# KiCad board USB Cable Tester.kicad_pcb (continued)
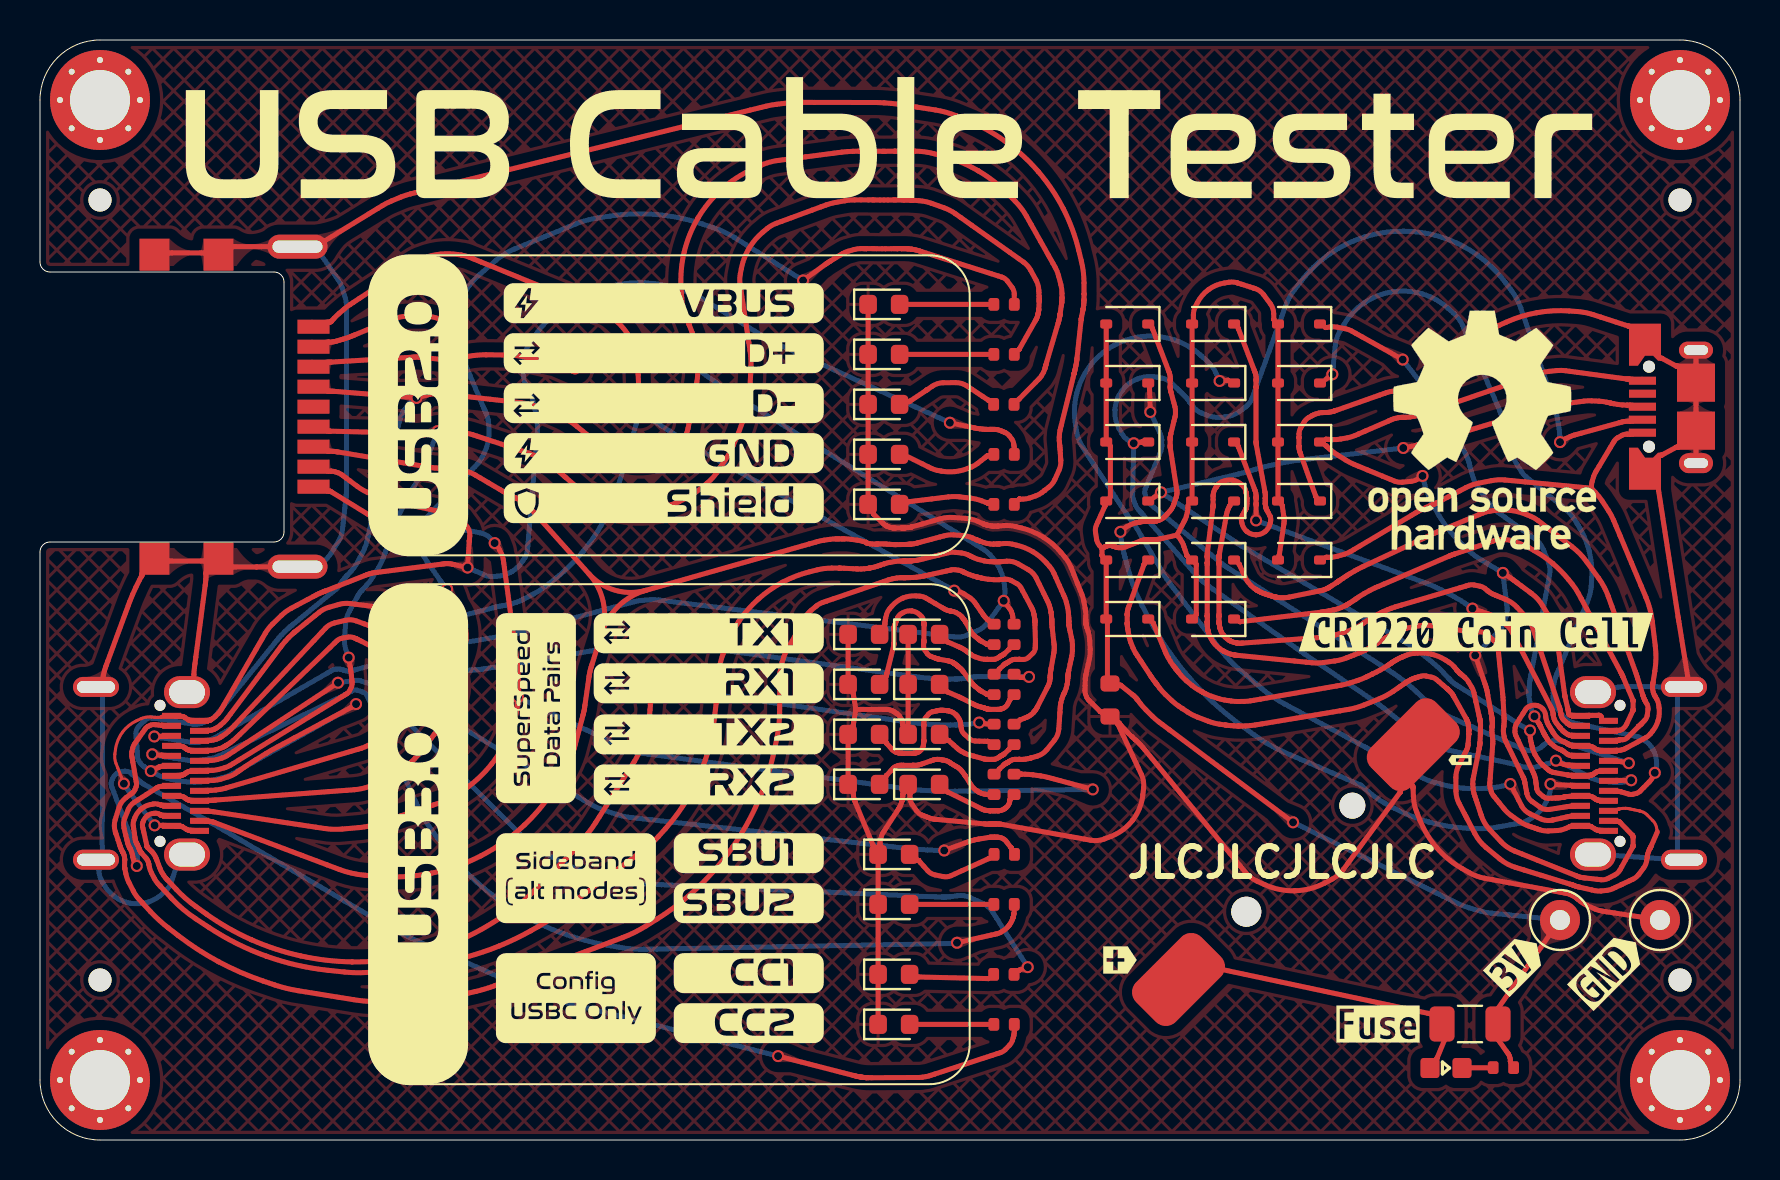
[diagram p0: board, top side]
## Routing (per net, layer and track width the routed paths; a pad name or vN(x,y) marks a point on that pad's centre or on a via; arc(x,y) is an arc through that point) (continued)
Net-(D20-K): length 24.5
  Top w0.25: v1(71.62,26.57) 72.66,26.22 arc(72.85,26.13) 73.02,26.01 73.34,25.74 arc(73.48,25.59) 73.59,25.42 73.88,24.86 75.58,21.58 arc(75.6,21.54) 75.61,21.5 75.64,21.41 arc(75.65,21.37) 75.65,21.33 75.66,21.29 arc(75.66,21.28) 75.66,21.27 arc(75.66,21.26) 75.66,21.26 75.67,21.2 arc(75.68,21.14) 75.7,21.08 75.75,20.96 arc(75.78,20.9) 75.81,20.85 76,20.61 arc(76,20.61) 76.01,20.6 76.02,20.59 arc(76.02,20.59) 76.03,20.58 arc(76.03,20.58) 76.03,20.58 76.14,20.46 arc(76.15,20.45) 76.16,20.44 76.18,20.42 arc(76.2,20.41) 76.21,20.4 76.38,20.28 arc(76.4,20.27) 76.43,20.26 76.48,20.24 arc(76.5,20.24) 76.52,20.23 76.61,20.23 arc(76.67,20.23) 76.74,20.23 J4.A10 ; 59.91,34.68 59.91,34.68 arc(59.92,34.68) 59.92,34.67 60.76,32.45 arc(60.78,32.41) 60.79,32.36 60.8,32.28 arc(60.81,32.24) 60.81,32.19 60.81,32.15 arc(60.81,32.15) 60.81,32.14 60.8,32.13 arc(60.8,32.12) 60.8,32.11 arc(60.8,32.11) 60.8,32.1 60.8,32.08 arc(60.8,32.06) 60.8,32.04 60.8,31.85 arc(60.8,31.84) 60.8,31.82 60.8,31.82 arc(60.8,31.8) 60.8,31.79 arc(60.8,31.78) 60.8,31.77 60.8,31.76 arc(60.8,31.74) 60.8,31.72 v1(60.8,30.98)
  Bottom w0.25: v1(71.62,26.57) 71.32,26.79 arc(71.02,26.99) 70.7,27.17 70.05,27.51 arc(69.72,27.67) 69.38,27.81 68.35,28.19 v1(60.8,30.98)
Net-(D21-K): length 49.2
  Top w0.25: J4.A3 76.74,16.69 arc(76.67,16.68) 76.61,16.68 76.53,16.68 arc(76.51,16.68) 76.48,16.68 76.44,16.68 arc(76.42,16.68) 76.4,16.67 75.47,16.53 arc(75.23,16.54) 75.01,16.64 74.6,16.93 arc(74.43,17.1) 74.34,17.32 74.23,17.96 arc(74.22,17.98) 74.21,18 74.2,18.05 arc(74.19,18.07) 74.18,18.1 74.15,18.16 73.39,19.72 73.26,19.98 arc(73.23,20.07) 73.21,20.17 73.17,20.36 arc(73.17,20.45) 73.17,20.55 73.18,20.64 arc(73.18,20.65) 73.19,20.66 arc(73.19,20.67) 73.19,20.68 73.19,20.72 arc(73.2,20.78) 73.2,20.84 73.21,20.95 arc(73.21,21.01) 73.21,21.06 73.16,21.99 arc(73.15,22.07) 73.15,22.15 arc(73.14,22.22) 73.13,22.3 72.97,23.89 72.9,24.58 arc(72.84,24.79) 72.71,24.96 72.35,25.27 arc(72.16,25.38) 71.95,25.41 71.64,25.4 arc(71.61,25.4) 71.58,25.4 71.52,25.4 arc(71.49,25.41) 71.46,25.41 71.38,25.42 70.51,25.56 69.57,25.72 arc(69.25,25.74) 68.94,25.71 68.31,25.59 arc(68.01,25.5) 67.73,25.37 67.25,25.08 67.18,25.04 arc(67.1,25) 67.03,24.95 66.93,24.88 arc(66.91,24.87) 66.89,24.86 66.8,24.8 arc(66.72,24.74) 66.63,24.69 66.46,24.6 arc(66.38,24.55) 66.29,24.51 66.15,24.44 arc(66.1,24.42) 66.05,24.4 65.93,24.34 arc(65.81,24.3) 65.69,24.25 65.3,24.1 arc(65.03,24.01) 64.75,23.95 64.17,23.87 arc(63.88,23.85) 63.59,23.86 59.88,24.23 arc(59.84,24.24) 59.79,24.24 59.75,24.25 arc(59.75,24.25) 59.75,24.25 59.68,24.26 arc(59.61,24.27) 59.54,24.29 59.4,24.34 arc(59.33,24.36) 59.27,24.4 59.21,24.43 arc(59.21,24.43) 59.2,24.43 arc(59.2,24.43) 59.2,24.43 59.2,24.44 arc(59.19,24.44) 59.19,24.44 arc(59.19,24.44) 59.19,24.44 59.12,24.48 arc(59.05,24.52) 58.99,24.57 58.87,24.67 arc(58.81,24.72) 58.76,24.78 58.71,24.84 arc(58.71,24.84) 58.71,24.85 arc(58.7,24.85) 58.7,24.85 58.65,24.91 arc(58.6,24.98) 58.56,25.06 58.48,25.21 arc(58.45,25.29) 58.43,25.37 58.41,25.45 arc(58.41,25.45) 58.4,25.45 arc(58.4,25.46) 58.4,25.46 58.39,25.5 arc(58.38,25.55) 58.38,25.59 58.37,25.68 arc(58.36,25.73) 58.36,25.78 58.36,25.79 arc(58.36,25.82) 58.36,25.86 58.36,25.89 arc(58.36,25.89) 58.36,25.89 arc(58.36,25.89) 58.36,25.89 58.36,25.91 arc(58.36,25.91) 58.36,25.91 58.36,25.92 arc(58.36,25.94) 58.36,25.95 58.36,26.15 arc(58.36,26.16) 58.36,26.18 58.36,26.19 arc(58.36,26.19) 58.36,26.19 58.36,26.21 arc(58.36,26.21) 58.36,26.21 arc(58.36,26.21) 58.36,26.21 58.36,26.24 arc(58.36,26.28) 58.36,26.31 58.36,28.74 arc(58.36,28.77) 58.36,28.81 58.36,28.84 arc(58.36,28.84) 58.36,28.84 arc(58.36,28.84) 58.36,28.84 58.36,28.86 arc(58.36,28.86) 58.36,28.86 58.36,28.87 arc(58.36,28.89) 58.36,28.9 58.36,29.1 arc(58.36,29.11) 58.36,29.13 58.36,29.19 arc(58.36,29.19) 58.36,29.19 arc(58.36,29.2) 58.36,29.2 58.36,29.22 arc(58.36,29.24) 58.36,29.26 58.36,29.3 arc(58.36,29.32) 58.37,29.35 58.65,31.66 arc(58.65,31.67) 58.65,31.68 58.65,31.71 arc(58.65,31.72) 58.66,31.73 58.66,32.23 arc(58.66,32.3) 58.68,32.36 58.72,32.49 arc(58.74,32.55) 58.78,32.6 58.9,32.76 arc(58.98,32.85) 59.08,32.91 59.2,32.95 arc(59.42,33) 59.66,32.99 arc(59.88,32.91) 60.07,32.77 60.16,32.69 arc(60.23,32.6) 60.28,32.49 60.31,32.37 arc(60.31,32.37) 60.31,32.37 60.31,32.36 arc(60.31,32.34) 60.32,32.32 60.32,32.29 arc(60.32,32.28) 60.33,32.26 60.34,32.1 arc(60.34,32.09) 60.34,32.09 arc(60.34,32.08) 60.34,32.08 60.34,32.07 arc(60.34,32.07) 60.34,32.07 60.34,31.95 60.34,31.85 arc(60.34,31.84) 60.34,31.83 arc(60.34,31.82) 60.34,31.8 60.33,31.68 arc(60.33,31.67) 60.33,31.65 60.32,31.61 arc(60.31,31.6) 60.31,31.58 60.3,31.57 arc(60.3,31.56) 60.3,31.56 60.3,31.56 arc(60.3,31.55) 60.29,31.55 arc(60.29,31.54) 60.29,31.54 60.28,31.53 arc(60.28,31.52) 60.28,31.52 arc(60.28,31.51) 60.27,31.51 60.11,31.21 arc(60.07,31.1) 60.07,30.98 60.1,30.85 arc(60.18,30.62) 60.34,30.43 arc(60.55,30.3) 60.79,30.26 arc(61.04,30.3) 61.25,30.42 arc(61.42,30.6) 61.51,30.83 61.53,30.96 arc(61.54,31.08) 61.5,31.2 61.32,31.54 arc(61.31,31.56) 61.31,31.57 61.29,31.61 arc(61.29,31.63) 61.29,31.65 61.27,31.74 arc(61.27,31.75) 61.27,31.75 arc(61.27,31.75) 61.27,31.76 61.27,31.8 arc(61.26,31.81) 61.26,31.81 61.26,31.82 arc(61.26,31.83) 61.26,31.83 61.26,31.95 61.26,32.05 arc(61.26,32.06) 61.26,32.07 arc(61.26,32.08) 61.26,32.09 arc(61.26,32.1) 61.27,32.11 61.27,32.14 arc(61.27,32.18) 61.27,32.22 61.26,32.3 arc(61.26,32.34) 61.25,32.38 61.23,32.49 60.82,34.74 arc(60.82,34.76) 60.81,34.77 arc(60.81,34.79) 60.81,34.81 60.8,34.85 arc(60.8,34.86) 60.8,34.88 60.8,37.64 arc(60.8,37.64) 60.8,37.64 60.8,37.65 arc(60.8,37.65) 60.8,37.66 60.8,37.94 arc(60.8,37.96) 60.8,37.99 60.8,38.01 arc(60.8,38.01) 60.8,38.02 60.81,38.07 arc(60.81,38.12) 60.8,38.17 60.79,38.26 arc(60.78,38.31) 60.76,38.36 60.71,38.49 59.92,40.57 arc(59.92,40.58) 59.91,40.58 59.91,40.58
Net-(D22-K): length 45.8
  Top w0.25: v1(58.98,37.95) 59.4,37.98 arc(59.4,37.98) 59.41,37.98 59.41,37.98 ; J4.A2 76.74,16.19 arc(76.67,16.18) 76.61,16.18 76.53,16.18 arc(76.52,16.18) 76.5,16.18 76.47,16.18 arc(76.45,16.18) 76.43,16.17 75.61,15.99 arc(75.32,15.98) 75.04,16.06 74.49,16.31 arc(74.25,16.48) 74.08,16.71 v1(73.52,17.8)
  Bottom w0.25: v1(58.98,37.95) 58.81,38.33 arc(58.61,38.66) 58.35,38.95 58.06,39.22 arc(57.43,39.68) 56.72,40 arc(55.96,40.17) 55.18,40.18 arc(54.42,40.03) 53.7,39.73 arc(53.06,39.29) 52.52,38.73 arc(52.11,38.07) 51.84,37.34 arc(51.72,36.57) 51.77,35.79 51.83,35.4 arc(51.94,35.02) 52.11,34.68 52.62,33.89 arc(52.64,33.86) 52.66,33.83 arc(52.68,33.81) 52.69,33.78 54.3,31.34 54.37,31.22 arc(54.4,31.19) 54.43,31.15 54.49,31.08 arc(54.52,31.04) 54.55,31.01 54.61,30.94 arc(54.63,30.92) 54.64,30.9 54.67,30.87 arc(54.68,30.85) 54.69,30.83 54.73,30.77 56.12,28.41 56.24,28.2 arc(56.28,28.13) 56.33,28.07 56.42,27.93 arc(56.46,27.87) 56.51,27.8 56.65,27.61 57.68,26.27 58.55,25.13 58.98,24.56 arc(59.44,24.02) 59.96,23.53 61.04,22.61 arc(61.61,22.18) 62.22,21.81 64.11,20.8 66.24,19.65 66.34,19.6 arc(66.37,19.59) 66.4,19.57 66.46,19.53 arc(66.49,19.51) 66.52,19.49 66.74,19.34 arc(66.9,19.23) 67.06,19.13 67.4,18.93 arc(67.57,18.84) 67.75,18.75 69.2,18.07 arc(69.47,17.96) 69.75,17.87 70.03,17.79 arc(70.6,17.67) 71.17,17.59 arc(71.75,17.56) 72.34,17.59 72.63,17.61 arc(72.91,17.65) 73.2,17.71 v1(73.52,17.8)
Net-(D23-A): length 6.9
  Top w0.25: 42.24,25.75 42.24,25.77 arc(42.24,25.8) 42.24,25.82 42.24,25.83 arc(42.25,25.86) 42.25,25.9 42.26,25.96 arc(42.26,25.99) 42.27,26.03 42.28,26.08 arc(42.28,26.08) 42.28,26.08 arc(42.28,26.08) 42.28,26.08 42.32,26.25 arc(42.38,26.41) 42.48,26.56 42.59,26.69 arc(42.84,26.92) 43.14,27.09 arc(43.47,27.19) 43.81,27.2 43.98,27.19 arc(44.15,27.16) 44.31,27.09 44.76,26.82 45.22,26.55 arc(45.27,26.53) 45.31,26.51 45.4,26.47 arc(45.45,26.46) 45.5,26.45 45.54,26.44 arc(45.55,26.44) 45.55,26.44 arc(45.56,26.44) 45.57,26.44 45.65,26.43 arc(45.73,26.4) 45.81,26.37 45.96,26.28 arc(46.03,26.23) 46.09,26.17 46.21,26 arc(46.22,25.99) 46.23,25.97 46.26,25.94 arc(46.27,25.92) 46.28,25.91 46.54,25.43 arc(46.56,25.39) 46.59,25.35 46.65,25.28 arc(46.68,25.25) 46.72,25.21 46.89,25.07 arc(46.9,25.06) 46.91,25.05 46.91,25.05 arc(46.92,25.04) 46.93,25.04 arc(46.94,25.03) 46.95,25.02 46.95,25.02 arc(46.96,25.01) 46.98,25 47.01,24.98 arc(47.02,24.97) 47.03,24.96 47.32,24.8 arc(47.32,24.8) 47.32,24.8 arc(47.32,24.8) 47.33,24.79 47.33,24.79 arc(47.33,24.79) 47.33,24.79 arc(47.34,24.79) 47.34,24.79 47.38,24.77
Net-(D24-K): length 35.3
  Top w0.25: J4.B5 78.71,18.94 arc(78.77,18.93) 78.84,18.93 78.91,18.93 arc(78.93,18.93) 78.94,18.93 78.97,18.93 arc(78.99,18.93) 79,18.93 v1(79.44,18.84) ; 55.47,37.62 55.47,37.62 arc(55.47,37.62) 55.47,37.62 55.47,37.61 arc(55.47,37.6) 55.47,37.6 arc(55.47,37.59) 55.47,37.59 v1(55.52,36.4)
  Bottom w0.25: v1(55.52,36.4) 55.84,35.68 56.02,35.29 arc(56.07,35.15) 56.09,35.01 56.09,34.72 arc(56.08,34.57) 56.04,34.43 55.87,34.03 55.42,32.93 55.27,32.57 arc(55.24,32.44) 55.25,32.32 55.31,32.07 arc(55.36,31.95) 55.44,31.85 55.74,31.6 59.07,28.83 arc(59.11,28.8) 59.14,28.78 59.21,28.73 arc(59.25,28.7) 59.28,28.68 59.4,28.61 67.13,23.68 67.65,23.35 arc(67.82,23.24) 67.98,23.12 68.3,22.87 arc(68.46,22.74) 68.62,22.6 69.59,21.69 arc(69.7,21.6) 69.81,21.52 70.05,21.37 arc(70.17,21.3) 70.29,21.24 70.68,21.07 73.99,19.61 74.04,19.59 arc(74.06,19.58) 74.08,19.57 74.12,19.56 arc(74.14,19.55) 74.16,19.54 74.18,19.54 arc(74.18,19.53) 74.19,19.53 arc(74.19,19.53) 74.2,19.53 74.32,19.49 arc(74.44,19.47) 74.57,19.48 74.82,19.53 arc(74.94,19.57) 75.05,19.63 75.14,19.72 arc(75.15,19.72) 75.15,19.72 arc(75.15,19.73) 75.16,19.73 75.25,19.8 arc(75.34,19.87) 75.45,19.91 75.69,19.96 arc(75.81,19.98) 75.92,19.96 76.03,19.93 arc(76.04,19.93) 76.05,19.93 arc(76.05,19.93) 76.06,19.93 76.13,19.91 arc(76.2,19.89) 76.27,19.87 v1(79.44,18.84)
Net-(D25-K): length 43.4
  Top w0.25: 55.62,40.58 55.62,40.58 arc(55.62,40.58) 55.62,40.57 56.42,38.49 56.47,38.36 arc(56.48,38.31) 56.49,38.26 56.51,38.17 arc(56.51,38.12) 56.51,38.07 56.51,38.02 arc(56.51,38.01) 56.51,38.01 56.51,37.99 arc(56.51,37.96) 56.51,37.94 56.51,37.63 arc(56.51,37.6) 56.51,37.58 56.52,37.52 arc(56.52,37.49) 56.53,37.47 56.75,36.65 arc(56.76,36.57) 56.77,36.5 56.77,36.34 arc(56.77,36.26) 56.75,36.18 56.53,35.27 arc(56.53,35.26) 56.53,35.25 56.52,35.22 arc(56.52,35.21) 56.52,35.19 56.52,35.16 arc(56.51,35.14) 56.51,35.12 56.51,35.12 arc(56.51,35.09) 56.51,35.07 56.51,35.07 arc(56.51,35.05) 56.51,35.03 arc(56.51,35.01) 56.51,34.99 56.51,34.69 arc(56.51,34.68) 56.51,34.66 56.51,34.63 arc(56.51,34.61) 56.51,34.6 56.52,34.55 56.82,32.6 56.85,32.46 arc(56.85,32.41) 56.85,32.36 56.84,32.27 arc(56.83,32.22) 56.82,32.17 56.68,31.75 arc(56.66,31.69) 56.63,31.64 56.57,31.55 arc(56.54,31.5) 56.51,31.46 56.24,31.17 arc(56.2,31.13) 56.15,31.1 56.06,31.04 arc(56.01,31.01) 55.95,30.99 55.83,30.96 arc(55.81,30.95) 55.78,30.94 55.72,30.94 arc(55.7,30.93) 55.67,30.93 55.31,30.93 arc(55.27,30.93) 55.23,30.93 55.15,30.92 arc(55.11,30.92) 55.07,30.91 54.78,30.86 arc(54.66,30.82) 54.55,30.77 54.32,30.65 arc(54.22,30.59) 54.12,30.51 v1(54.02,30.41) ; v1(75.52,17.8) 75.53,17.8 arc(75.54,17.8) 75.55,17.8 75.56,17.79 arc(75.59,17.79) 75.62,17.78 75.67,17.78 arc(75.69,17.77) 75.72,17.77 75.8,17.77 76.52,17.73 arc(76.53,17.73) 76.54,17.73 arc(76.55,17.73) 76.56,17.73 76.61,17.73 arc(76.67,17.73) 76.74,17.73 J4.A5
  Bottom w0.25: v1(75.52,17.8) 75.52,17.62 arc(75.51,17.45) 75.46,17.28 75.4,17.11 arc(75.26,16.8) 75.06,16.51 arc(74.81,16.26) 74.52,16.06 74.37,15.97 arc(74.21,15.9) 74.04,15.85 72.8,15.63 arc(72.32,15.57) 71.84,15.57 71.36,15.59 arc(70.4,15.69) 69.46,15.89 arc(68.55,16.2) 67.67,16.61 67.25,16.84 arc(66.84,17.09) 66.46,17.38 66.08,17.71 arc(66.07,17.72) 66.07,17.72 arc(66.07,17.72) 66.06,17.72 66.05,17.73 arc(66.05,17.73) 66.05,17.73 62.21,19.39 arc(61.44,19.78) 60.71,20.25 60.01,20.76 arc(58.68,21.86) 57.47,23.1 arc(56.41,24.47) 55.52,25.95 55.11,26.72 arc(54.74,27.5) 54.47,28.32 54.23,29.23 54.19,29.34 arc(54.16,29.48) 54.13,29.63 54.08,29.93 arc(54.05,30.07) 54.04,30.22 v1(54.02,30.41)
Net-(D26-K): length 61.2
  Top w0.25: 81.05,39.09 81.06,39.09 arc(81.07,39.09) 81.07,39.09 81.09,39.09 arc(81.1,39.08) 81.1,39.08 arc(81.11,39.08) 81.12,39.07 81.78,38.71 arc(81.79,38.71) 81.8,38.7 arc(81.8,38.7) 81.81,38.7 81.83,38.69 arc(81.83,38.69) 81.84,38.69 81.91,38.69 arc(81.97,38.68) 82.02,38.65 82.51,38.16 ; 82.51,38.16 arc(82.69,38.12) 82.8,38.28 ; 82.51,38.16 arc(82.72,37.84) 82.8,37.45 ; 79.45,40.69 79.45,40.69 arc(79.44,40.69) 79.44,40.69 79.43,40.69 arc(79.42,40.69) 79.42,40.7 arc(79.41,40.7) 79.41,40.7 77.65,41.27 arc(77.26,41.37) 76.86,41.42 76.45,41.45 arc(75.65,41.46) 74.85,41.37 arc(74.07,41.18) 73.31,40.89 72.94,40.73 arc(72.59,40.54) 72.25,40.31 71.3,39.56 69.28,37.97 68.98,37.74 arc(68.88,37.67) 68.77,37.62 68.53,37.53 arc(68.41,37.5) 68.28,37.49 68.01,37.49 arc(67.89,37.48) 67.78,37.47 67.54,37.42 arc(67.43,37.4) 67.31,37.36 64.82,36.48 arc(64.79,36.48) 64.77,36.47 arc(64.74,36.46) 64.72,36.45 64.63,36.42 arc(64.58,36.41) 64.54,36.4 64.44,36.39 arc(64.39,36.38) 64.35,36.38 64.31,36.38 arc(64.3,36.38) 64.29,36.38 arc(64.28,36.38) 64.27,36.38 arc(64.26,36.38) 64.24,36.37 64.09,36.37 arc(64.02,36.36) 63.95,36.35 63.81,36.31 arc(63.74,36.28) 63.67,36.25 63.44,36.13 arc(63.31,36.03) 63.21,35.9 63.04,35.61 arc(62.97,35.46) 62.95,35.29 62.95,35.13 62.95,34.69 arc(62.95,34.69) 62.95,34.69 62.95,34.69 arc(62.95,34.68) 62.95,34.68 62.95,34.64 arc(62.95,34.6) 62.96,34.57 62.97,34.49 arc(62.98,34.46) 62.99,34.42 63.03,34.31 63.79,32.18 arc(63.79,32.17) 63.79,32.17 63.79,32.17 ; 82.8,35.05 J3.6 ; 82.8,35.05 82.8,35.88 ; 82.8,35.05 arc(82.69,35.21) 82.51,35.18 ; 82.8,38.28 82.8,37.45 ; 82.8,38.28 J3.6 ; 82.8,37.45 82.8,35.88 ; 82.8,35.88 arc(82.72,35.5) 82.51,35.18 ; 81.05,34.24 81.06,34.24 arc(81.07,34.24) 81.07,34.24 81.09,34.25 arc(81.1,34.25) 81.1,34.25 arc(81.11,34.26) 81.12,34.26 81.78,34.62 arc(81.79,34.63) 81.8,34.63 arc(81.8,34.63) 81.81,34.64 81.83,34.64 arc(81.83,34.64) 81.84,34.64 81.91,34.64 arc(81.97,34.65) 82.02,34.69 82.51,35.18 ; 80.92,32.52 80.92,32.51 arc(80.93,32.51) 80.93,32.51 80.93,32.5 arc(80.93,32.5) 80.93,32.5 arc(80.93,32.5) 80.93,32.5 81.91,26.15 arc(81.91,26.11) 81.92,26.08 81.92,26.05 arc(81.92,26.04) 81.92,26.04 arc(81.92,26.03) 81.93,26.03 81.94,25.95 arc(81.95,25.87) 81.97,25.79 82.38,23.19 arc(82.4,23.1) 82.41,23.01 arc(82.42,22.91) 82.43,22.82 82.44,22.78 arc(82.41,22.69) 82.33,22.65 J4.S1
  Bottom w0.25: J4.S1 77.99,22.39 arc(78,22.39) 78.01,22.4 arc(78.02,22.4) 78.03,22.4 78.19,22.47 arc(78.37,22.53) 78.55,22.58 78.92,22.64 arc(79.11,22.67) 79.29,22.68 79.86,22.67 81.23,22.66 arc(81.55,22.65) 81.88,22.65 82.04,22.65 arc(81.92,22.61) 81.87,22.49 81.87,20.21 81.87,18.92 arc(81.87,18.89) 81.88,18.86 arc(81.88,18.84) 81.88,18.81 81.89,18.08 81.89,18 arc(81.89,17.98) 81.89,17.95 81.89,17.9 arc(81.89,17.88) 81.89,17.85 81.88,17.81 arc(81.88,17.8) 81.88,17.79 81.88,17.69 arc(81.88,17.59) 81.87,17.48 81.87,16.26 81.87,14.18 arc(81.92,14.06) 82.04,14.01 81.56,14.01 arc(81.55,14.01) 81.54,14.02 81.49,14.02 arc(81.45,14.03) 81.41,14.04 81.33,14.05 arc(81.29,14.05) 81.25,14.05 81.13,14.06 78.17,14.26 arc(78,14.27) 77.82,14.27 J4.S1
Net-(D27-A): length 4
  Top w0.25: 47.42,39.28 43.42,39.28
Net-(D28-K): length 77.4
  Top w0.25: v1(79.56,17.99) 79.55,17.99 arc(79.55,17.99) 79.54,17.98 79.53,17.98 arc(79.52,17.98) 79.51,17.98 79.48,17.98 arc(79.47,17.98) 79.46,17.98 78.84,17.98 arc(78.77,17.98) 78.71,17.98 J4.B7 ; v1(54.69,34.84) 54.69,34.84 arc(54.69,34.84) 54.69,34.84 54.73,34.84 arc(54.78,34.85) 54.82,34.86 55.09,34.9 arc(55.09,34.9) 55.1,34.9 arc(55.1,34.9) 55.1,34.9 55.1,34.9 arc(55.11,34.9) 55.11,34.9 55.11,34.9 ; v1(75.8,18.97) 75.8,18.96 arc(75.81,18.96) 75.81,18.96 75.88,18.91 arc(75.95,18.87) 76.03,18.84 76.19,18.78 arc(76.27,18.76) 76.35,18.75 76.44,18.74 arc(76.45,18.74) 76.46,18.74 76.47,18.74 arc(76.48,18.74) 76.49,18.74 arc(76.5,18.73) 76.51,18.73 76.52,18.73 arc(76.55,18.73) 76.58,18.73 76.61,18.73 arc(76.67,18.73) 76.74,18.73 J4.A7 ; J3.2 79.64,35.95 arc(79.57,35.94) 79.51,35.94 79.4,35.94 arc(79.35,35.94) 79.3,35.94 79.21,35.92 arc(79.16,35.91) 79.11,35.9 78.97,35.86 77.05,35.34 76.72,35.25 arc(76.62,35.21) 76.51,35.17 76.31,35.08 arc(76.21,35.03) 76.11,34.97 76.02,34.91 arc(76.02,34.91) 76.01,34.9 v1(76,34.89)
  Bottom w0.25: v1(79.56,17.99) 79.56,17.99 arc(79.55,17.99) 79.55,17.99 79.27,17.92 arc(78.98,17.87) 78.68,17.88 78.09,17.95 arc(77.81,18.01) 77.53,18.12 76.04,18.88 arc(76.01,18.9) 75.98,18.91 75.91,18.94 arc(75.88,18.95) 75.85,18.96 75.82,18.96 arc(75.81,18.96) 75.81,18.97 v1(75.8,18.97) 75.7,18.92 arc(75.65,18.9) 75.59,18.88 75.48,18.84 arc(75.42,18.82) 75.36,18.8 75.29,18.79 arc(75.28,18.78) 75.27,18.78 75.26,18.78 arc(75.23,18.77) 75.21,18.76 74.9,18.67 arc(74.76,18.64) 74.61,18.63 74.32,18.64 arc(74.18,18.65) 74.04,18.69 73.86,18.75 arc(73.84,18.75) 73.83,18.76 arc(73.81,18.76) 73.8,18.77 73.77,18.78 arc(73.76,18.78) 73.74,18.78 arc(73.73,18.79) 73.71,18.79 71.29,19.31 70.45,19.49 arc(70.18,19.56) 69.92,19.67 69.41,19.91 arc(69.16,20.04) 68.93,20.21 68.27,20.73 67.13,21.64 arc(67.07,21.68) 67.02,21.72 66.91,21.8 arc(66.85,21.84) 66.8,21.88 66.63,21.99 63.23,24.3 arc(63.13,24.36) 63.04,24.43 arc(62.94,24.49) 62.85,24.56 58.65,27.54 58.36,27.74 arc(58.27,27.82) 58.18,27.89 58.01,28.05 arc(57.92,28.13) 57.84,28.21 57.61,28.48 55.1,31.32 arc(55.08,31.34) 55.06,31.36 55.05,31.38 arc(55.04,31.39) 55.04,31.39 54.93,31.5 arc(54.85,31.61) 54.78,31.74 54.68,32 arc(54.64,32.13) 54.63,32.27 54.64,32.69 v1(54.69,34.84) 54.68,34.84 arc(54.67,34.84) 54.66,34.85 54.44,34.97 arc(54.24,35.12) 54.09,35.32 53.97,35.54 arc(53.79,36.01) 53.75,36.51 arc(53.85,37) 54.08,37.44 arc(54.43,37.8) 54.87,38.05 arc(55.35,38.17) 55.85,38.14 56.11,38.09 arc(56.34,38.01) 56.55,37.86 57.14,37.3 arc(57.19,37.25) 57.24,37.19 57.35,37.08 arc(57.4,37.02) 57.44,36.96 57.65,36.67 arc(57.83,36.49) 58.04,36.37 58.27,36.27 arc(58.75,36.14) 59.24,36.14 arc(59.71,36.28) 60.13,36.54 60.33,36.69 arc(60.49,36.87) 60.61,37.09 60.87,37.81 61.76,40.27 62.27,41.68 arc(62.47,42.13) 62.74,42.54 63.05,42.93 arc(63.71,43.67) 64.47,44.29 arc(65.32,44.79) 66.24,45.15 arc(67.2,45.37) 68.18,45.44 arc(69.16,45.36) 70.12,45.13 arc(71.03,44.75) 71.88,44.24 arc(72.63,43.6) 73.28,42.86 73.58,42.46 arc(73.84,42.05) 74.04,41.59 74.53,40.18 75.38,37.71 75.67,36.9 arc(75.75,36.62) 75.82,36.34 75.92,35.78 arc(75.97,35.49) 75.99,35.21 76,34.93 arc(76,34.92) 76,34.91 v1(76,34.89)
Net-(D29-K): length 44.9
  Top w0.15: J4.B10 78.79,16.53 arc(78.82,16.53) 78.86,16.53 78.9,16.53 arc(78.9,16.53) 78.91,16.53 78.91,16.53 arc(78.91,16.53) 78.92,16.54 arc(78.92,16.54) 78.92,16.54 78.93,16.54 arc(78.93,16.54) 78.94,16.54 79,16.56 arc(79.07,16.57) 79.14,16.58 79.27,16.58 arc(79.34,16.58) 79.41,16.57 79.69,16.51 80.01,16.45 arc(80.2,16.38) 80.35,16.26 80.64,15.97 arc(80.76,15.81) 80.83,15.62 80.87,15.43 arc(80.87,15.42) 80.87,15.42 arc(80.87,15.41) 80.87,15.41
  Top w0.25: 80.87,15.41 80.57,14.71 arc(80.56,14.7) 80.56,14.69 arc(80.55,14.68) 80.54,14.67 80.53,14.64 arc(80.53,14.63) 80.52,14.62 80.52,14.61 arc(80.51,14.61) 80.51,14.6 arc(80.51,14.59) 80.5,14.59 80.48,14.55 arc(80.46,14.5) 80.44,14.45 80.4,14.34 arc(80.39,14.29) 80.38,14.24 80.37,14.19 arc(80.37,14.18) 80.37,14.18 arc(80.37,14.18) 80.37,14.18 80.36,14.17 arc(80.36,14.16) 80.36,14.16 80.33,13.96 arc(80.28,13.78) 80.18,13.61 79.95,13.29 arc(79.81,13.15) 79.65,13.04 79.05,12.76 78.64,12.56 arc(78.5,12.51) 78.35,12.48 78.04,12.45 arc(77.89,12.45) 77.74,12.47 76.99,12.64 76.9,12.66 arc(76.87,12.67) 76.84,12.68 76.78,12.7 arc(76.75,12.71) 76.72,12.72 76.66,12.74 arc(76.65,12.74) 76.63,12.75 76.6,12.76 arc(76.58,12.77) 76.56,12.77 76.51,12.79 75.06,13.23 73.77,13.63 arc(73.36,13.8) 73,14.05 72.3,14.63 arc(71.99,14.94) 71.75,15.31 71.22,16.31 70.95,16.83 arc(70.84,17.13) 70.8,17.45 70.79,18.11 arc(70.83,18.44) 70.94,18.74 71.34,19.53 arc(71.36,19.56) 71.37,19.59 71.39,19.66 arc(71.4,19.69) 71.4,19.73 71.41,19.83 71.44,20.28 arc(71.44,20.28) 71.44,20.29 arc(71.44,20.29) 71.44,20.3 71.44,20.31 arc(71.44,20.31) 71.44,20.31 arc(71.44,20.32) 71.44,20.32 71.44,20.46 arc(71.44,20.46) 71.44,20.47 71.44,20.49 arc(71.44,20.5) 71.44,20.5 71.44,20.52 arc(71.44,20.52) 71.44,20.53 arc(71.44,20.53) 71.44,20.54 71.41,20.8 arc(71.41,20.82) 71.4,20.84 71.39,20.88 arc(71.39,20.9) 71.38,20.91 71.34,21 arc(71.34,21.01) 71.33,21.02 arc(71.33,21.02) 71.33,21.03 71.32,21.04 arc(71.32,21.04) 71.32,21.05 arc(71.32,21.05) 71.31,21.06 70.64,22.26 arc(70.62,22.29) 70.6,22.32 70.56,22.37 arc(70.54,22.4) 70.51,22.42 70.41,22.52 arc(70.4,22.53) 70.38,22.54 70.37,22.55 arc(70.37,22.56) 70.36,22.56 70.36,22.56 arc(70.35,22.57) 70.35,22.57 arc(70.34,22.58) 70.33,22.58 69.83,23.02 arc(69.71,23.09) 69.58,23.14 69.31,23.2 arc(69.17,23.21) 69.03,23.19 68.82,23.12 arc(68.82,23.12) 68.81,23.12 arc(68.8,23.12) 68.79,23.11 68.7,23.08 arc(68.67,23.07) 68.65,23.06 68.6,23.04 arc(68.57,23.03) 68.55,23.02 68.36,22.92 arc(68.35,22.91) 68.33,22.9 68.31,22.88 arc(68.29,22.87) 68.28,22.86 68.25,22.84 arc(68.23,22.83) 68.22,22.82 68.14,22.77 arc(68.09,22.73) 68.04,22.7 67.66,22.43 arc(67.31,22.22) 66.95,22.05 66.19,21.75 arc(65.81,21.62) 65.42,21.53 64.21,21.33 61.11,20.81 60.76,20.75 arc(60.65,20.73) 60.53,20.72 60.29,20.7 arc(60.18,20.7) 60.06,20.7 59.85,20.7 arc(59.77,20.7) 59.69,20.71 59.53,20.72 arc(59.44,20.73) 59.36,20.74 59.29,20.75 arc(59.28,20.75) 59.28,20.75 arc(59.27,20.75) 59.27,20.75 58.99,20.79 arc(58.7,20.85) 58.43,20.93 57.89,21.14 arc(57.63,21.25) 57.38,21.4 57.14,21.56 arc(57.14,21.56) 57.13,21.56 arc(57.13,21.57) 57.12,21.57 56.94,21.69 arc(56.76,21.82) 56.59,21.97 56.27,22.28 arc(56.11,22.44) 55.97,22.61 55.84,22.79 arc(55.83,22.8) 55.83,22.8 55.8,22.84 arc(55.79,22.85) 55.78,22.86 55.74,22.91 arc(55.71,22.95) 55.68,22.99 55.62,23.07 arc(55.59,23.12) 55.56,23.16 55.04,23.95 54.79,24.34 arc(54.71,24.47) 54.65,24.61 54.53,24.9 arc(54.48,25.04) 54.45,25.19 54.37,25.64 arc(54.37,25.67) 54.37,25.69 54.36,25.75 arc(54.36,25.77) 54.36,25.8 54.36,25.83 arc(54.36,25.83) 54.36,25.83 54.36,25.84 arc(54.36,25.84) 54.36,25.84 54.36,26.26 arc(54.36,26.26) 54.36,26.26 54.36,26.27 arc(54.36,26.27) 54.36,26.27 54.36,26.32 arc(54.36,26.36) 54.37,26.4 54.38,26.49 arc(54.39,26.53) 54.4,26.57 55.2,28.77 arc(55.2,28.78) 55.2,28.78 55.2,28.78
Net-(D30-A): length 3.4
  Top w0.25: 45.38,24.91 45.38,24.91 arc(45.38,24.9) 45.38,24.9 45.38,24.9 arc(45.39,24.9) 45.39,24.9 46.03,24.62 arc(46.07,24.6) 46.11,24.58 46.19,24.54 arc(46.23,24.51) 46.26,24.49 46.55,24.27 arc(46.65,24.21) 46.76,24.16 46.99,24.08 arc(47.11,24.05) 47.23,24.04 47.35,24.03 arc(47.36,24.03) 47.36,24.03 47.37,24.03 arc(47.38,24.03) 47.4,24.03 47.68,24.03 arc(47.71,24.03) 47.75,24.04 47.81,24.06 arc(47.85,24.07) 47.88,24.09 48,24.18 arc(48.01,24.18) 48.02,24.19 48.04,24.2 arc(48.05,24.21) 48.07,24.21 48.07,24.22 arc(48.08,24.22) 48.08,24.22 arc(48.08,24.22) 48.09,24.22 arc(48.09,24.23) 48.09,24.23 48.1,24.23 arc(48.1,24.23) 48.11,24.23 arc(48.11,24.24) 48.11,24.24 48.15,24.26 arc(48.15,24.26) 48.16,24.27 arc(48.16,24.27) 48.17,24.27 48.18,24.28 arc(48.18,24.28) 48.19,24.29 48.2,24.3 arc(48.21,24.31) 48.22,24.31 arc(48.23,24.32) 48.24,24.33 48.44,24.52 arc(48.44,24.52) 48.44,24.52 48.44,24.52 arc(48.44,24.52) 48.44,24.53
Net-(D31-A): length 3.5
  Top w0.25: 43.92,8.15 43.92,8.15 arc(43.92,8.15) 43.92,8.15 47.41,8.07 arc(47.41,8.07) 47.41,8.07 arc(47.42,8.07) 47.42,8.07 47.42,8.07
Net-(D32-A): length 3.5
  Top w0.25: 47.42,11.78 43.92,11.78
Net-(D33-A): length 4
  Top w0.25: 43.91,13.98 43.91,13.98 arc(43.91,13.98) 43.91,13.98 43.91,13.98 arc(43.92,13.98) 43.92,13.98 43.92,13.98 arc(43.92,13.98) 43.93,13.98 43.93,13.98 arc(43.93,13.98) 43.93,13.98 arc(43.93,13.98) 43.93,13.97 43.93,13.97 arc(43.93,13.97) 43.93,13.97 43.94,13.97 arc(43.94,13.97) 43.94,13.96 arc(43.94,13.96) 43.94,13.96 44.39,13.46 arc(44.55,13.33) 44.74,13.26 45.15,13.17 arc(45.35,13.16) 45.55,13.21 47.43,14.07 arc(47.43,14.07) 47.43,14.07 47.44,14.07 arc(47.44,14.07) 47.44,14.07
Net-(D34-A): length 3.5
  Top w0.25: 47.42,5.78 43.92,5.78
Net-(LED1-K): length 0.8
  Top w0.25: 71.58,3.61 72.39,3.61

## Copper pours and planes (outline as drawn; the poured copper is in the pictures)
GND on Top, Bottom: 0,55 85,55 85,0 0,0

Small or netless copper shapes (teardrops, artwork), in the pictures only: 121 on Top, 67 on Bottom

## Text on the board
F.Silkscreen: JLCJLCJLCJLC
